# KiCad board panelized.kicad_pcb (continued)
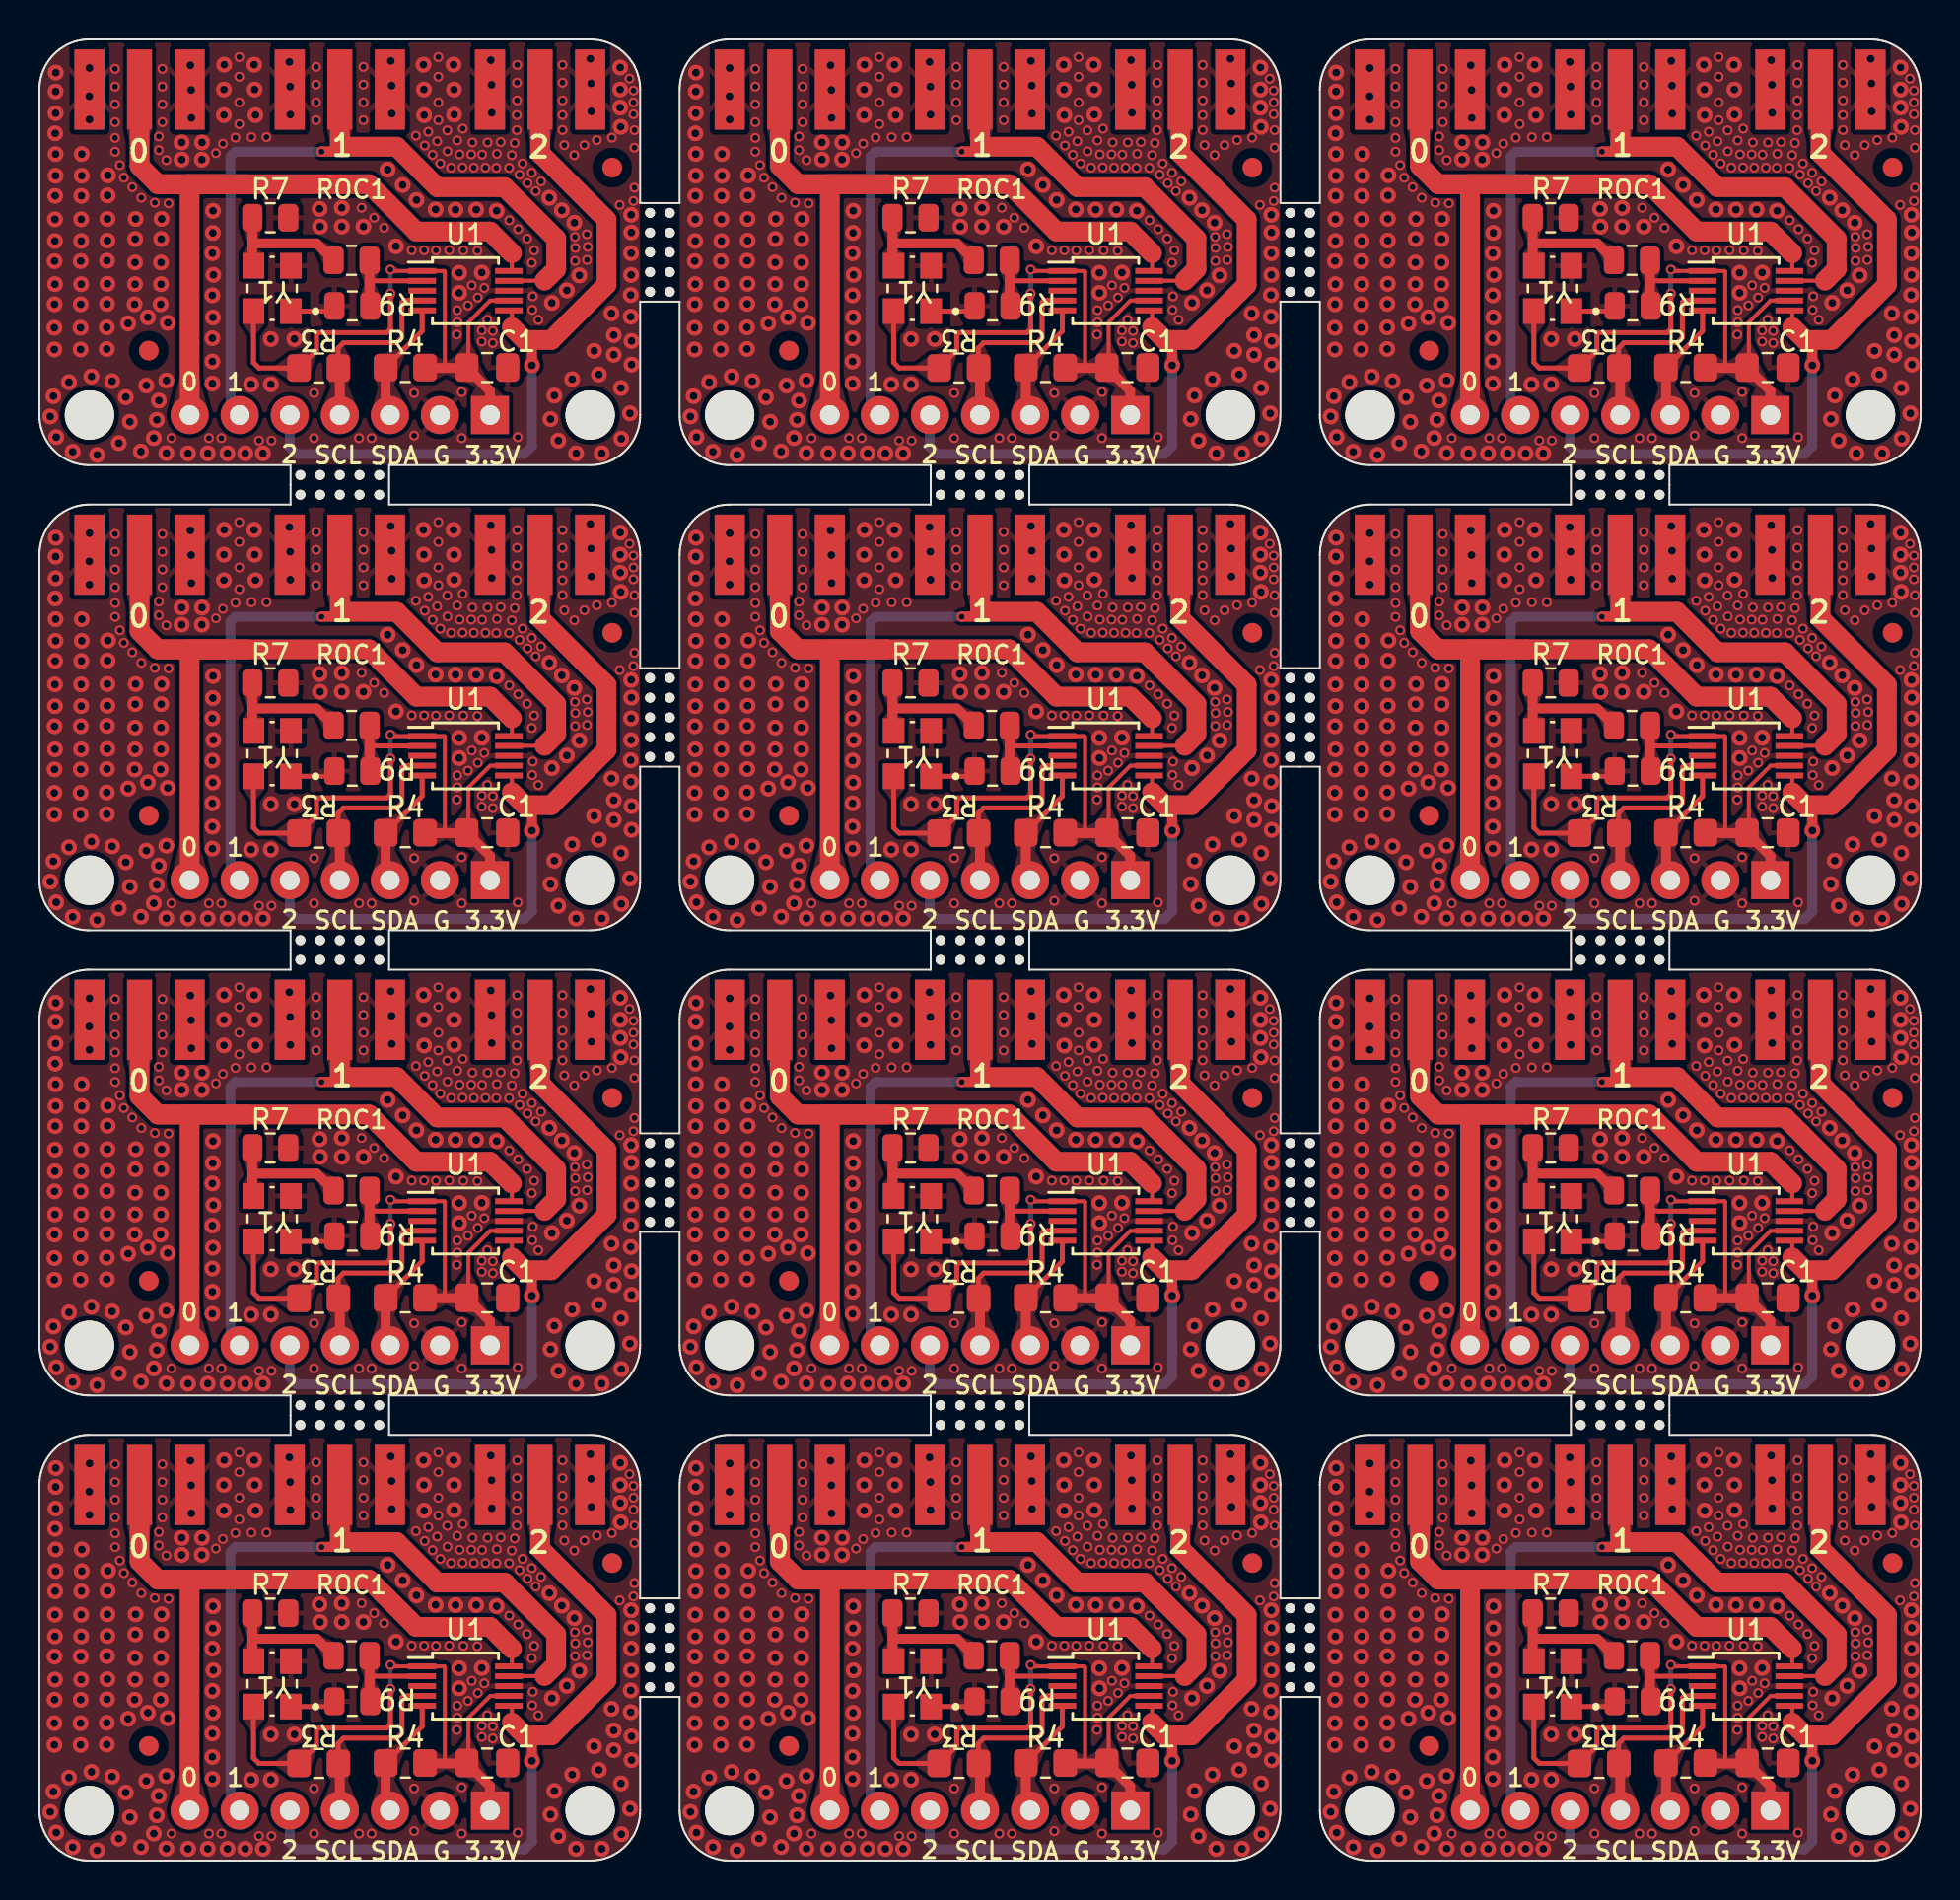
[diagram p0: board, top side]
## Routing (per net, layer and track width the routed paths; a pad name or vN(x,y) marks a point on that pad's centre or on a via; arc(x,y) is an arc through that point) (continued)
Board_0-Net-(U1-XA): length 5
  Top w0.25: 16.75,80.07 16.8,80.12 U1#12.2
  Top w0.5: ROC1#11.2 16.75,78.88
Board_0-Net-(Y1-OUT): length 6.9
  Top w0.5: 10.8,82.02 10.8,80.94 ; 10.8,82.02 14.06,82.02 ROC1#11.1 ; 10.8,82.02 R7#9.1
Board_1-+3.3V: length 31.1
  Top w0.2: U1#10.7 55.35,79.12 54.25,78.02 54.25,75.72 ; 53.05,75.82 53.05,80.59 53.02,80.62 U1#10.1 50.36,80.62 v1(50.29,80.69)
  Top w0.25: v1(50.29,79.48) 50.29,77.68 50.1,77.49 46.54,77.49 46.54,76.59 R3#3.2 43.62,75.7 43.34,75.98 Y1.4
  Top w0.5: 54.05,75.7 52.23,75.7 ; JP1#10.1 55.34,74.54 C1#10.1
  Bottom w0.25: v1(50.29,79.48) v1(50.29,80.69)
Board_1-/CLK0: length 43.5
  Top w0.2: 56.45,81.52 56.45,80.68
  Top w1: JP1#10.7 40.1,84.94 40.02,85.02 41.84,85.02 ; 41.84,85.02 38.48,85.02 ; 41.84,85.02 42.98,85.02 ; 38.48,85.02 42.98,85.02 ; 38.48,85.02 37.56,85.94 X1#6.P ; 56.45,81.52 55.35,82.62 51.6,82.62 49.2,85.02 42.98,85.02
Board_1-/CLK1: length 39.6
  Top w0.2: 58.11,80.13 56.44,80.13
  Top w0.25: 47.48,86.67 47.73,86.92 47.64,86.83
  Top w0.5: 48.06,86.92 47.83,86.68 46.81,86.68 v1(46.79,86.67) 47.48,86.67
  Top w1: 58.11,80.13 58.7,80.72 58.7,82.25 56.08,84.87 52.66,84.87 50.61,86.92 47.73,86.92 47.72,86.93 X2#8.P
  Bottom w0.5: 42.17,73.78 42.17,86.42 42.42,86.67 46.69,86.67
Board_1-/CLK2: length 38.1
  Top w0.2: 56.45,77.77 56.45,78.57
  Top w0.25: 57.47,76.75 57.1,77.12
  Top w0.5: v2(57.47,75.83) 57.47,76.75
  Top w1: 56.45,77.77 57.1,77.12 58.45,77.12 61.25,79.92 61.25,83.22 57.88,86.59 X3#10.P
  Bottom w0.5: JP1#10.5 45.18,71.7 45.54,71.34 57.07,71.34 57.47,71.74 v2(57.47,75.83)
Board_1-/SCL_3V: length 9.4
  Top w0.25: U1#10.4 50.96,79.12 50.87,79.03 50.87,77.24 50.61,76.98 47.9,76.98 47.64,76.71 47.64,75.89
  Top w0.5: JP1#10.4 47.72,75.61
Board_1-/SDA_3V: length 5.9
  Top w0.25: U1#10.5 51.9,77.57 R4#8.1
  Top w0.5: R4#8.1 50.04,73.53
Board_1-GND: length 2.3
  Top w0.25: Y1.1 47.18,78.58 R9.2
  vias: v1(36.32,90.87) v1(36.32,89.97) v1(36.32,89.07) v1(36.32,88.17) v1(36.32,87.37) v1(36.32,86.67) v1(36.56,85.98) v1(36.76,85.35) v1(37.19,84.87) v1(37.65,84.33) v1(38.33,84.08) v1(38.54,87.44) v1(38.54,86.75) v1(38.72,90.87) v1(38.72,89.97) v1(38.72,89.07) v1(38.72,88.17) v1(38.92,86.24) v1(39.03,84.05) v1(39.17,72.14) v1(41.08,72.14) v1(41.43,86.59) v1(41.71,72.14) v1(41.79,87.08) v1(42.42,87.38) v1(42.62,91.47) v1(42.62,90.47) v1(42.62,89.17) v1(42.62,88.07) v1(43.24,87.41) v1(43.62,72.01) v1(44,87.41) v1(44.25,72.01) v1(46.41,74.43) v1(46.41,72.14) v1(46.52,90.97) v1(46.52,90.07) v1(46.52,89.17) v1(46.52,88.27) v1(48.7,72.14) v1(48.82,83.83) v1(48.92,90.97) v1(48.92,90.07) v1(48.92,89.17) v1(48.92,88.27) v1(49.33,72.14) v1(49.46,83.32) v1(49.97,82.81) v1(51.36,81.67) v1(51.49,74.43) v1(51.49,72.27) v1(51.58,87.48) v1(52.03,86.98) v1(52,81.67) v1(52.21,87.68) v1(52.43,86.51) v1(52.66,87.2) v1(52.6,81.66) v1(52.72,91.47) v1(52.72,90.47) v1(52.72,89.17) v1(52.72,88.27) v1(52.82,86.07) v1(53.17,87.75) v1(53.18,86.69) v1(53.27,81.67) v1(53.36,85.86) v1(53.66,77.4) v1(53.68,87.24) v1(53.68,78.63) v1(53.68,78.02) v1(53.8,86.53) v1(53.96,87.84) v1(53.95,85.87) v1(53.9,74.48) v1(53.9,72.14) v1(53.99,81.66) v1(54.22,78.87) v1(54.45,87.14) v1(54.39,86.53) v1(54.41,79.89) v1(54.52,85.86) v1(54.7,81.64) v1(54.72,79.27) v1(54.94,86.52) v1(54.92,77.6) v1(54.92,77.04) v1(55.05,79.76) v1(55.11,85.86) v1(55.22,87.14) v1(55.2,78.14) v1(55.48,77.58) v1(55.48,76.97) v1(55.66,85.85) v1(55.69,86.56) v1(55.88,87.16) v1(56.31,85.85) v1(56.32,83.19) v1(56.44,86.49) v1(56.59,87.11) v1(56.72,91.07) v1(56.71,90.17) v1(56.71,89.27) v1(56.7,88.52) v1(56.7,87.76) v1(56.77,82.74) v1(56.75,72.19) v1(56.84,85.5) v1(56.99,86.07) v1(57.25,85.07) v1(57.22,82.26) v1(57.46,85.6) v1(57.46,81.03) v1(57.51,79.33) v1(57.49,78.64) v1(57.66,84.67) v1(57.58,81.66) v1(57.79,78.14) v1(57.93,85.16) v1(59.02,91.07) v1(59.02,90.17) v1(59.02,89.27) v1(59.02,88.52) v1(59.02,87.77) v1(59.11,87) v1(59.62,86.49) v1(59.65,82.35) v1(59.67,81.79) v1(59.66,81.13) v1(60.13,87) v1(60.25,82.48) v1(60.26,81.18) v1(60.3,81.84) v1(60.76,87.25) v1(61.52,87.38) v1(61.92,83.97) v1(62.42,90.37) v1(62.62,89.77) v1(62.62,89.17) v1(62.62,88.57) v1(62.67,87.76) v1(62.67,86.87) v1(62.67,84.84) v1(62.62,84.17) v2(33.03,73.24) v2(33.27,83.24) v2(33.27,82.14) v2(33.25,81.12) v2(33.27,79.95) v2(33.25,78.93) v2(33.24,77.74) v2(33.24,76.64) v2(33.19,74.27) v2(33.31,90.68) v2(33.3,89.72) v2(33.3,88.62) v2(33.28,87.6) v2(33.3,86.55) v2(33.3,85.45) v2(33.28,84.43) v2(33.33,72.19) v2(33.98,74.98) v2(34.17,71.45) v2(34.57,77.74) v2(34.57,76.64) v2(34.63,86.55) v2(34.63,85.45) v2(34.61,84.43) v2(34.6,83.24) v2(34.6,82.14) v2(34.58,81.12) v2(34.6,79.95) v2(34.58,78.93) v2(35.02,90.91) v2(35.01,89.48) v2(35.02,88.3) v2(35.12,75.27) v2(35.41,71.29) v2(35.96,85.47) v2(35.94,84.45) v2(35.93,83.26) v2(35.93,82.16) v2(35.91,81.14) v2(35.93,79.97) v2(35.91,78.95) v2(35.9,77.76) v2(35.9,76.66) v2(36.17,75.03) v2(36.51,71.89) v2(36.86,74.22) v2(36.98,77.96) v2(37.07,72.97) v2(37.36,83.26) v2(37.34,82.24) v2(37.33,81.05) v2(37.33,79.95) v2(37.31,78.93) v2(37.63,71.46) v2(37.9,74.81) v2(37.98,78.27) v2(38.28,72.14) v2(38.44,73.07) v2(38.54,74.05) v2(38.66,82.24) v2(38.65,81.05) v2(38.65,79.95) v2(38.63,78.93) v2(38.68,83.26) v2(38.92,75.06) v2(38.92,71.38) v2(38.99,77.99) v2(39.7,87.14) v2(39.7,86.27) v2(40.02,71.37) v2(40.14,91.05) v2(40.18,89.8) v2(40.19,88.38) v2(40.73,87.14) v2(40.72,86.27) v2(41.02,71.37) v2(41.26,81.52) v2(41.26,79.38) v2(41.26,77.21) v2(41.26,76.03) v2(41.26,74.91) v2(41.29,83.67) v2(41.28,82.55) v2(41.31,80.42) v2(41.28,78.26) v2(42.02,71.37) v2(42.92,71.37) v2(43.22,74.87) v2(43.82,71.37) v2(44.22,77.17) v2(44.22,74.87) v2(45.16,91.22) v2(45.2,89.97) v2(45.21,88.55) v2(45.42,77.17) v2(46.69,83.77) v2(46.72,82.87) v2(47.82,83.82) v2(47.82,82.87) v2(48.92,82.87) v2(50.15,85.76) v2(50.31,91.27) v2(50.35,90.02) v2(50.36,88.6) v2(50.57,81.87) v2(50.91,84.98) v2(51.61,84.22) v2(52.58,83.74) v2(53.59,83.73) v2(53.78,80.53) v2(53.78,79.51) v2(54.64,83.73) v2(54.92,80.54) v2(55.38,91.31) v2(55.42,90.06) v2(55.43,88.64) v2(55.68,83.67) v2(58.35,84.33) v2(58.41,73.11) v2(58.48,79) v2(58.6,74.3) v2(58.81,72.01) v2(58.98,83.7) v2(59.24,79.63) v2(59.51,75.13) v2(59.62,83.06) v2(59.71,71.37) v2(59.87,80.4) v2(60.43,91.38) v2(60.47,90.13) v2(60.48,88.71) v2(60.62,76.57) v2(60.86,75.37) v2(61.01,71.37) v2(61.5,78.47) v2(61.62,77.37) v2(61.62,76.37) v2(61.98,74.68) v2(62,72.11) v2(62.44,73.4) v2(62.5,83.47) v2(62.51,82.57) v2(62.5,81.52) v2(62.5,80.42) v2(62.48,79.4) v2(62.48,78.3) v2(62.52,77.07) v2(62.52,75.87) v3(41.85,91.08) v3(41.84,89.82) v3(41.84,88.52) v3(43.38,91.08) v3(43.4,89.82) v3(43.44,88.52) v3(51.96,91.08) v3(51.99,89.82) v3(52,88.52) v3(53.49,91.08) v3(53.51,89.82) v3(53.52,88.55) v3(61.94,90.94) v3(61.94,89.82) v3(61.94,88.91) v3(61.97,87.93)
Board_1-Net-(U1-XA): length 5
  Top w0.25: 49.23,80.07 49.28,80.12 U1#10.2
  Top w0.5: 49.23,78.88 ROC1#8.2
Board_1-Net-(Y1-OUT): length 6.9
  Top w0.5: 43.28,82.02 46.54,82.02 ROC1#8.1 ; 43.28,82.02 43.28,80.94 ; 43.28,82.02 R7#10.1
Board_2-+3.3V: length 31.1
  Top w0.2: U1.7 87.83,79.12 86.73,78.02 86.73,75.72 ; 85.53,75.82 85.53,80.59 85.5,80.62 U1.1 82.84,80.62 v1(82.77,80.69)
  Top w0.25: Y1#4.4 75.82,75.98 76.1,75.7 R3#11.2 79.02,76.59 79.02,77.49 82.58,77.49 82.77,77.68 v1(82.77,79.48)
  Top w0.5: 86.53,75.7 84.71,75.7 ; JP1#12.1 87.82,74.54 C1#3.1
  Bottom w0.25: v1(82.77,79.48) v1(82.77,80.69)
Board_2-/CLK0: length 43.5
  Top w0.2: 88.93,81.52 88.93,80.68
  Top w1: 70.96,85.02 75.46,85.02 ; 70.96,85.02 74.32,85.02 ; 70.96,85.02 70.04,85.94 X1#7.P ; 75.46,85.02 81.68,85.02 84.08,82.62 87.83,82.62 88.93,81.52 ; 75.46,85.02 74.32,85.02 ; JP1#12.7 72.58,84.94 72.5,85.02 74.32,85.02
Board_2-/CLK1: length 39.6
  Top w0.2: 90.59,80.13 88.92,80.13
  Top w0.25: 79.96,86.67 80.21,86.92 80.12,86.83
  Top w0.5: 80.54,86.92 80.31,86.68 79.29,86.68 v1(79.27,86.67) 79.96,86.67
  Top w1: 90.59,80.13 91.18,80.72 91.18,82.25 88.56,84.87 85.14,84.87 83.09,86.92 80.21,86.92 80.2,86.93 X2#12.P
  Bottom w0.5: 74.65,73.78 74.65,86.42 74.9,86.67 79.17,86.67
Board_2-/CLK2: length 38.1
  Top w0.2: 88.93,77.77 88.93,78.57
  Top w0.25: 89.95,76.75 89.58,77.12
  Top w0.5: v2(89.95,75.83) 89.95,76.75
  Top w1: X3#9.P 90.36,86.59 93.73,83.22 93.73,79.92 90.93,77.12 89.58,77.12 88.93,77.77
  Bottom w0.5: v2(89.95,75.83) 89.95,71.74 89.55,71.34 78.02,71.34 77.66,71.7 JP1#12.5
Board_2-/SCL_3V: length 9.4
  Top w0.25: U1.4 83.44,79.12 83.35,79.03 83.35,77.24 83.09,76.98 80.38,76.98 80.12,76.71 80.12,75.89
  Top w0.5: JP1#12.4 80.2,75.61
Board_2-/SDA_3V: length 5.9
  Top w0.25: U1.5 84.38,77.57 R4#12.1
  Top w0.5: R4#12.1 82.52,73.53
Board_2-GND: length 2.3
  Top w0.25: Y1#4.1 79.66,78.58 R9#11.2
  vias: v1(68.8,90.87) v1(68.8,89.97) v1(68.8,89.07) v1(68.8,88.17) v1(68.8,87.37) v1(68.8,86.67) v1(69.04,85.98) v1(69.24,85.35) v1(69.67,84.87) v1(70.13,84.33) v1(70.81,84.08) v1(71.02,87.44) v1(71.02,86.75) v1(71.2,90.87) v1(71.2,89.97) v1(71.2,89.07) v1(71.2,88.17) v1(71.4,86.24) v1(71.51,84.05) v1(71.65,72.14) v1(73.56,72.14) v1(73.91,86.59) v1(74.27,87.08) v1(74.19,72.14) v1(74.9,87.38) v1(75.1,91.47) v1(75.1,90.47) v1(75.1,89.17) v1(75.1,88.07) v1(75.72,87.41) v1(76.1,72.01) v1(76.48,87.41) v1(76.73,72.01) v1(78.89,74.43) v1(78.89,72.14) v1(79,90.97) v1(79,90.07) v1(79,89.17) v1(79,88.27) v1(81.18,72.14) v1(81.3,83.83) v1(81.4,90.97) v1(81.4,90.07) v1(81.4,89.17) v1(81.4,88.27) v1(81.81,72.14) v1(81.94,83.32) v1(82.45,82.81) v1(83.84,81.67) v1(84.06,87.48) v1(83.97,74.43) v1(83.97,72.27) v1(84.51,86.98) v1(84.48,81.67) v1(84.69,87.68) v1(84.91,86.51) v1(85.14,87.2) v1(85.08,81.66) v1(85.2,91.47) v1(85.2,90.47) v1(85.2,89.17) v1(85.2,88.27) v1(85.3,86.07) v1(85.65,87.75) v1(85.66,86.69) v1(85.75,81.67) v1(85.84,85.86) v1(86.16,87.24) v1(86.16,78.63) v1(86.16,78.02) v1(86.14,77.4) v1(86.28,86.53) v1(86.44,87.84) v1(86.43,85.87) v1(86.47,81.66) v1(86.38,74.48) v1(86.38,72.14) v1(86.7,78.87) v1(86.87,86.53) v1(86.93,87.14) v1(86.89,79.89) v1(87,85.86) v1(87.18,81.64) v1(87.2,79.27) v1(87.42,86.52) v1(87.4,77.6) v1(87.4,77.04) v1(87.53,79.76) v1(87.59,85.86) v1(87.7,87.14) v1(87.68,78.14) v1(87.96,77.58) v1(87.96,76.97) v1(88.17,86.56) v1(88.14,85.85) v1(88.36,87.16) v1(88.79,85.85) v1(88.8,83.19) v1(88.92,86.49) v1(89.07,87.11) v1(89.2,91.07) v1(89.19,90.17) v1(89.19,89.27) v1(89.18,88.52) v1(89.18,87.76) v1(89.25,82.74) v1(89.23,72.19) v1(89.32,85.5) v1(89.47,86.07) v1(89.73,85.07) v1(89.7,82.26) v1(89.94,85.6) v1(89.94,81.03) v1(89.97,78.64) v1(90.06,81.66) v1(89.99,79.33) v1(90.14,84.67) v1(90.27,78.14) v1(90.41,85.16) v1(91.5,91.07) v1(91.5,90.17) v1(91.5,89.27) v1(91.5,88.52) v1(91.5,87.77) v1(91.59,87) v1(92.1,86.49) v1(92.13,82.35) v1(92.15,81.79) v1(92.14,81.13) v1(92.61,87) v1(92.73,82.48) v1(92.74,81.18) v1(92.78,81.84) v1(93.24,87.25) v1(94,87.38) v1(94.4,83.97) v1(94.9,90.37) v1(95.1,89.77) v1(95.1,89.17) v1(95.1,88.57) v1(95.15,87.76) v1(95.15,86.87) v1(95.15,84.84) v1(95.1,84.17) v2(65.51,73.24) v2(65.67,74.27) v2(65.76,87.6) v2(65.76,84.43) v2(65.75,83.24) v2(65.75,82.14) v2(65.73,81.12) v2(65.75,79.95) v2(65.73,78.93) v2(65.72,77.74) v2(65.72,76.64) v2(65.79,90.68) v2(65.78,89.72) v2(65.78,88.62) v2(65.78,86.55) v2(65.78,85.45) v2(65.81,72.19) v2(66.46,74.98) v2(66.65,71.45) v2(67.06,81.12) v2(67.06,78.93) v2(67.05,77.74) v2(67.05,76.64) v2(67.11,86.55) v2(67.11,85.45) v2(67.09,84.43) v2(67.08,83.24) v2(67.08,82.14) v2(67.08,79.95) v2(67.5,90.91) v2(67.49,89.48) v2(67.5,88.3) v2(67.6,75.27) v2(67.89,71.29) v2(68.44,85.47) v2(68.42,84.45) v2(68.41,83.26) v2(68.41,82.16) v2(68.39,81.14) v2(68.41,79.97) v2(68.39,78.95) v2(68.38,77.76) v2(68.38,76.66) v2(68.65,75.03) v2(68.99,71.89) v2(69.34,74.22) v2(69.46,77.96) v2(69.55,72.97) v2(69.84,83.26) v2(69.82,82.24) v2(69.81,81.05) v2(69.81,79.95) v2(69.79,78.93) v2(70.11,71.46) v2(70.46,78.27) v2(70.38,74.81) v2(70.76,72.14) v2(70.92,73.07) v2(71.02,74.05) v2(71.16,83.26) v2(71.14,82.24) v2(71.13,81.05) v2(71.13,79.95) v2(71.11,78.93) v2(71.47,77.99) v2(71.4,75.06) v2(71.4,71.38) v2(72.18,87.14) v2(72.18,86.27) v2(72.5,71.37) v2(72.62,91.05) v2(72.66,89.8) v2(72.67,88.38) v2(73.21,87.14) v2(73.2,86.27) v2(73.5,71.37) v2(73.77,83.67) v2(73.76,82.55) v2(73.74,81.52) v2(73.74,79.38) v2(73.76,78.26) v2(73.74,77.21) v2(73.74,76.03) v2(73.74,74.91) v2(73.79,80.42) v2(74.5,71.37) v2(75.4,71.37) v2(75.7,74.87) v2(76.3,71.37) v2(76.7,77.17) v2(76.7,74.87) v2(77.64,91.22) v2(77.68,89.97) v2(77.69,88.55) v2(77.9,77.17) v2(79.17,83.77) v2(79.2,82.87) v2(80.3,83.82) v2(80.3,82.87) v2(81.4,82.87) v2(82.63,85.76) v2(82.79,91.27) v2(82.83,90.02) v2(82.84,88.6) v2(83.05,81.87) v2(83.39,84.98) v2(84.09,84.22) v2(85.06,83.74) v2(86.07,83.73) v2(86.26,80.53) v2(86.26,79.51) v2(87.12,83.73) v2(87.4,80.54) v2(87.86,91.31) v2(87.9,90.06) v2(87.91,88.64) v2(88.16,83.67) v2(90.83,84.33) v2(90.96,79) v2(90.89,73.11) v2(91.08,74.3) v2(91.29,72.01) v2(91.46,83.7) v2(91.72,79.63) v2(91.99,75.13) v2(92.1,83.06) v2(92.19,71.37) v2(92.35,80.4) v2(92.91,91.38) v2(92.95,90.13) v2(92.96,88.71) v2(93.1,76.57) v2(93.34,75.37) v2(93.49,71.37) v2(93.98,78.47) v2(94.1,77.37) v2(94.1,76.37) v2(94.46,74.68) v2(94.48,72.11) v2(94.96,79.4) v2(94.96,78.3) v2(94.92,73.4) v2(94.98,83.47) v2(94.99,82.57) v2(94.98,81.52) v2(94.98,80.42) v2(95,77.07) v2(95,75.87) v3(74.33,91.08) v3(74.32,89.82) v3(74.32,88.52) v3(75.86,91.08) v3(75.88,89.82) v3(75.92,88.52) v3(84.44,91.08) v3(84.47,89.82) v3(84.48,88.52) v3(85.97,91.08) v3(85.99,89.82) v3(86,88.55) v3(94.42,90.94) v3(94.42,89.82) v3(94.42,88.91) v3(94.45,87.93)
Board_2-Net-(U1-XA): length 5
  Top w0.25: 81.71,80.07 81.76,80.12 U1.2
  Top w0.5: 81.71,78.88 ROC1#3.2
Board_2-Net-(Y1-OUT): length 6.9
  Top w0.5: 75.76,82.02 75.76,80.94 ; 75.76,82.02 R7#3.1 ; 75.76,82.02 79.02,82.02 ROC1#3.1
Board_3-+3.3V: length 31.1
  Top w0.2: 21.77,52.13 21.77,54.43 22.87,55.53 U1#3.7 ; v1(17.81,57.1) 17.88,57.03 U1#3.1 20.54,57.03 20.57,57 20.57,52.23
  Top w0.25: v1(17.81,55.89) 17.81,54.09 17.62,53.9 14.06,53.9 14.06,53 R3#10.2 11.14,52.11 10.86,52.39 Y1#2.4
  Top w0.5: JP1#8.1 22.86,50.95 C1#11.1 ; 21.57,52.11 19.75,52.11
  Bottom w0.25: v1(17.81,55.89) v1(17.81,57.1)
Board_3-/CLK0: length 43.5
  Top w0.2: 23.97,57.93 23.97,57.09
  Top w1: 10.5,61.43 9.36,61.43 ; 10.5,61.43 16.72,61.43 19.12,59.03 22.87,59.03 23.97,57.93 ; 10.5,61.43 6,61.43 ; 9.36,61.43 7.54,61.43 7.62,61.35 JP1#8.7 ; 9.36,61.43 6,61.43 ; 6,61.43 5.08,62.35 X1.P
Board_3-/CLK1: length 39.6
  Top w0.2: 25.63,56.54 23.96,56.54
  Top w0.25: 15,63.08 15.25,63.33 15.16,63.24
  Top w0.5: 15.58,63.33 15.35,63.09 14.33,63.09 v1(14.31,63.08) 15,63.08
  Top w1: 25.63,56.54 26.22,57.13 26.22,58.66 23.6,61.28 20.18,61.28 18.13,63.33 15.25,63.33 15.24,63.34 X2#9.P
  Bottom w0.5: 14.21,63.08 9.94,63.08 9.69,62.83 9.69,50.19
Board_3-/CLK2: length 38.1
  Top w0.2: 23.97,54.18 23.97,54.98
  Top w0.25: 24.99,53.16 24.62,53.53
  Top w0.5: v2(24.99,52.24) 24.99,53.16
  Top w1: X3#11.P 25.4,63 28.77,59.63 28.77,56.33 25.97,53.53 24.62,53.53 23.97,54.18
  Bottom w0.5: JP1#8.5 12.7,48.11 13.06,47.75 24.59,47.75 24.99,48.15 v2(24.99,52.24)
Board_3-/SCL_3V: length 9.4
  Top w0.25: U1#3.4 18.48,55.53 18.39,55.44 18.39,53.65 18.13,53.39 15.42,53.39 15.16,53.12 15.16,52.3
  Top w0.5: JP1#8.4 15.24,52.02
Board_3-/SDA_3V: length 5.9
  Top w0.25: U1#3.5 19.42,53.98 R4#6.1
  Top w0.5: R4#6.1 17.56,49.94
Board_3-GND: length 2.3
  Top w0.25: R9#9.2 14.7,54.99 Y1#2.1
  vias: v1(3.84,67.28) v1(3.84,66.38) v1(3.84,65.48) v1(3.84,64.58) v1(3.84,63.78) v1(3.84,63.08) v1(4.08,62.39) v1(4.28,61.76) v1(4.71,61.28) v1(5.17,60.74) v1(5.85,60.49) v1(6.06,63.85) v1(6.06,63.16) v1(6.24,67.28) v1(6.24,66.38) v1(6.24,65.48) v1(6.24,64.58) v1(6.44,62.65) v1(6.55,60.46) v1(6.69,48.55) v1(8.6,48.55) v1(8.95,63) v1(9.23,48.55) v1(9.31,63.49) v1(9.94,63.79) v1(10.14,67.88) v1(10.14,66.88) v1(10.14,65.58) v1(10.14,64.48) v1(10.76,63.82) v1(11.14,48.42) v1(11.52,63.82) v1(11.77,48.42) v1(13.93,50.84) v1(13.93,48.55) v1(14.04,67.38) v1(14.04,66.48) v1(14.04,65.58) v1(14.04,64.68) v1(16.22,48.55) v1(16.34,60.24) v1(16.44,67.38) v1(16.44,66.48) v1(16.44,65.58) v1(16.44,64.68) v1(16.85,48.55) v1(16.98,59.73) v1(17.49,59.22) v1(18.88,58.08) v1(19.01,50.84) v1(19.01,48.68) v1(19.1,63.89) v1(19.55,63.39) v1(19.52,58.08) v1(19.73,64.09) v1(19.95,62.92) v1(20.12,58.07) v1(20.24,67.88) v1(20.24,66.88) v1(20.24,65.58) v1(20.24,64.68) v1(20.18,63.61) v1(20.34,62.48) v1(20.69,64.16) v1(20.7,63.1) v1(20.79,58.08) v1(20.88,62.27) v1(21.2,63.65) v1(21.2,55.04) v1(21.2,54.43) v1(21.18,53.81) v1(21.32,62.94) v1(21.47,62.28) v1(21.42,50.89) v1(21.42,48.55) v1(21.48,64.25) v1(21.51,58.07) v1(21.74,55.28) v1(21.97,63.55) v1(21.91,62.94) v1(21.93,56.3) v1(22.04,62.27) v1(22.22,58.05) v1(22.24,55.68) v1(22.46,62.93) v1(22.44,54.01) v1(22.44,53.45) v1(22.57,56.17) v1(22.63,62.27) v1(22.74,63.55) v1(22.72,54.55) v1(23,53.99) v1(23,53.38) v1(23.21,62.97) v1(23.18,62.26) v1(23.4,63.57) v1(23.83,62.26) v1(23.84,59.6) v1(23.96,62.9) v1(24.11,63.52) v1(24.24,67.48) v1(24.23,66.58) v1(24.23,65.68) v1(24.22,64.93) v1(24.22,64.17) v1(24.27,48.6) v1(24.36,61.91) v1(24.29,59.15) v1(24.51,62.48) v1(24.77,61.48) v1(24.74,58.67) v1(24.98,62.01) v1(24.98,57.44) v1(25.03,55.74) v1(25.01,55.05) v1(25.1,58.07) v1(25.18,61.08) v1(25.31,54.55) v1(25.45,61.57) v1(26.54,67.48) v1(26.54,66.58) v1(26.54,65.68) v1(26.54,64.93) v1(26.54,64.18) v1(26.63,63.41) v1(27.14,62.9) v1(27.17,58.76) v1(27.19,58.2) v1(27.18,57.54) v1(27.65,63.41) v1(27.77,58.89) v1(27.82,58.25) v1(27.78,57.59) v1(28.28,63.66) v1(29.04,63.79) v1(29.44,60.38) v1(29.94,66.78) v1(30.14,66.18) v1(30.14,65.58) v1(30.14,64.98) v1(30.14,60.58) v1(30.19,64.17) v1(30.19,63.28) v1(30.19,61.25) v2(0.55,49.65) v2(0.77,57.53) v2(0.77,55.34) v2(0.76,54.15) v2(0.76,53.05) v2(0.71,50.68) v2(0.83,67.09) v2(0.82,66.13) v2(0.82,65.03) v2(0.8,64.01) v2(0.82,62.96) v2(0.82,61.86) v2(0.8,60.84) v2(0.79,59.65) v2(0.79,58.55) v2(0.79,56.36) v2(0.85,48.6) v2(1.5,51.39) v2(1.69,47.86) v2(2.15,62.96) v2(2.15,61.86) v2(2.13,60.84) v2(2.12,59.65) v2(2.12,58.55) v2(2.1,57.53) v2(2.12,56.36) v2(2.1,55.34) v2(2.09,54.15) v2(2.09,53.05) v2(2.54,67.32) v2(2.53,65.89) v2(2.54,64.71) v2(2.64,51.68) v2(2.93,47.7) v2(3.46,60.86) v2(3.45,59.67) v2(3.45,58.57) v2(3.43,57.55) v2(3.45,56.38) v2(3.43,55.36) v2(3.42,54.17) v2(3.42,53.07) v2(3.48,61.88) v2(3.69,51.44) v2(4.03,48.3) v2(4.38,50.63) v2(4.5,54.37) v2(4.59,49.38) v2(4.86,58.65) v2(4.85,57.46) v2(4.85,56.36) v2(4.83,55.34) v2(4.88,59.67) v2(5.15,47.87) v2(5.42,51.22) v2(5.5,54.68) v2(5.8,48.55) v2(5.96,49.48) v2(6.06,50.46) v2(6.17,57.46) v2(6.17,56.36) v2(6.15,55.34) v2(6.2,59.67) v2(6.18,58.65) v2(6.44,51.47) v2(6.44,47.79) v2(6.51,54.4) v2(7.22,63.55) v2(7.22,62.68) v2(7.54,47.78) v2(7.66,67.46) v2(7.7,66.21) v2(7.71,64.79) v2(8.25,63.55) v2(8.24,62.68) v2(8.54,47.78) v2(8.81,60.08) v2(8.8,58.96) v2(8.78,57.93) v2(8.83,56.83) v2(8.78,55.79) v2(8.8,54.67) v2(8.78,53.62) v2(8.78,52.44) v2(8.78,51.32) v2(9.54,47.78) v2(10.44,47.78) v2(10.74,51.28) v2(11.34,47.78) v2(11.74,53.58) v2(11.74,51.28) v2(12.68,67.63) v2(12.72,66.38) v2(12.73,64.96) v2(12.94,53.58) v2(14.21,60.18) v2(14.24,59.28) v2(15.34,60.23) v2(15.34,59.28) v2(16.44,59.28) v2(17.67,62.17) v2(17.83,67.68) v2(17.87,66.43) v2(17.88,65.01) v2(18.09,58.28) v2(18.43,61.39) v2(19.13,60.63) v2(20.1,60.15) v2(21.11,60.14) v2(21.3,56.94) v2(21.3,55.92) v2(22.16,60.14) v2(22.44,56.95) v2(22.9,67.72) v2(22.94,66.47) v2(22.95,65.05) v2(23.2,60.08) v2(25.87,60.74) v2(25.93,49.52) v2(26,55.41) v2(26.12,50.71) v2(26.33,48.42) v2(26.5,60.11) v2(26.76,56.04) v2(27.03,51.54) v2(27.14,59.47) v2(27.23,47.78) v2(27.39,56.81) v2(27.95,67.79) v2(27.99,66.54) v2(28,65.12) v2(28.14,52.98) v2(28.38,51.78) v2(28.53,47.78) v2(29.02,54.88) v2(29.14,53.78) v2(29.14,52.78) v2(29.5,51.09) v2(29.52,48.52) v2(29.96,49.81) v2(30.02,59.88) v2(30.03,58.98) v2(30.02,57.93) v2(30.02,56.83) v2(30,55.81) v2(30,54.71) v2(30.04,53.48) v2(30.04,52.28) v3(9.36,66.23) v3(9.36,64.93) v3(9.37,67.49) v3(10.9,67.49) v3(10.92,66.23) v3(10.96,64.93) v3(19.48,67.49) v3(19.51,66.23) v3(19.52,64.93) v3(21.01,67.49) v3(21.03,66.23) v3(21.04,64.96) v3(29.46,67.35) v3(29.46,66.23) v3(29.46,65.32) v3(29.49,64.34)
